# Altium PCB TempdevAmmy230209.PcbDoc (part 4 of 5) (continued)
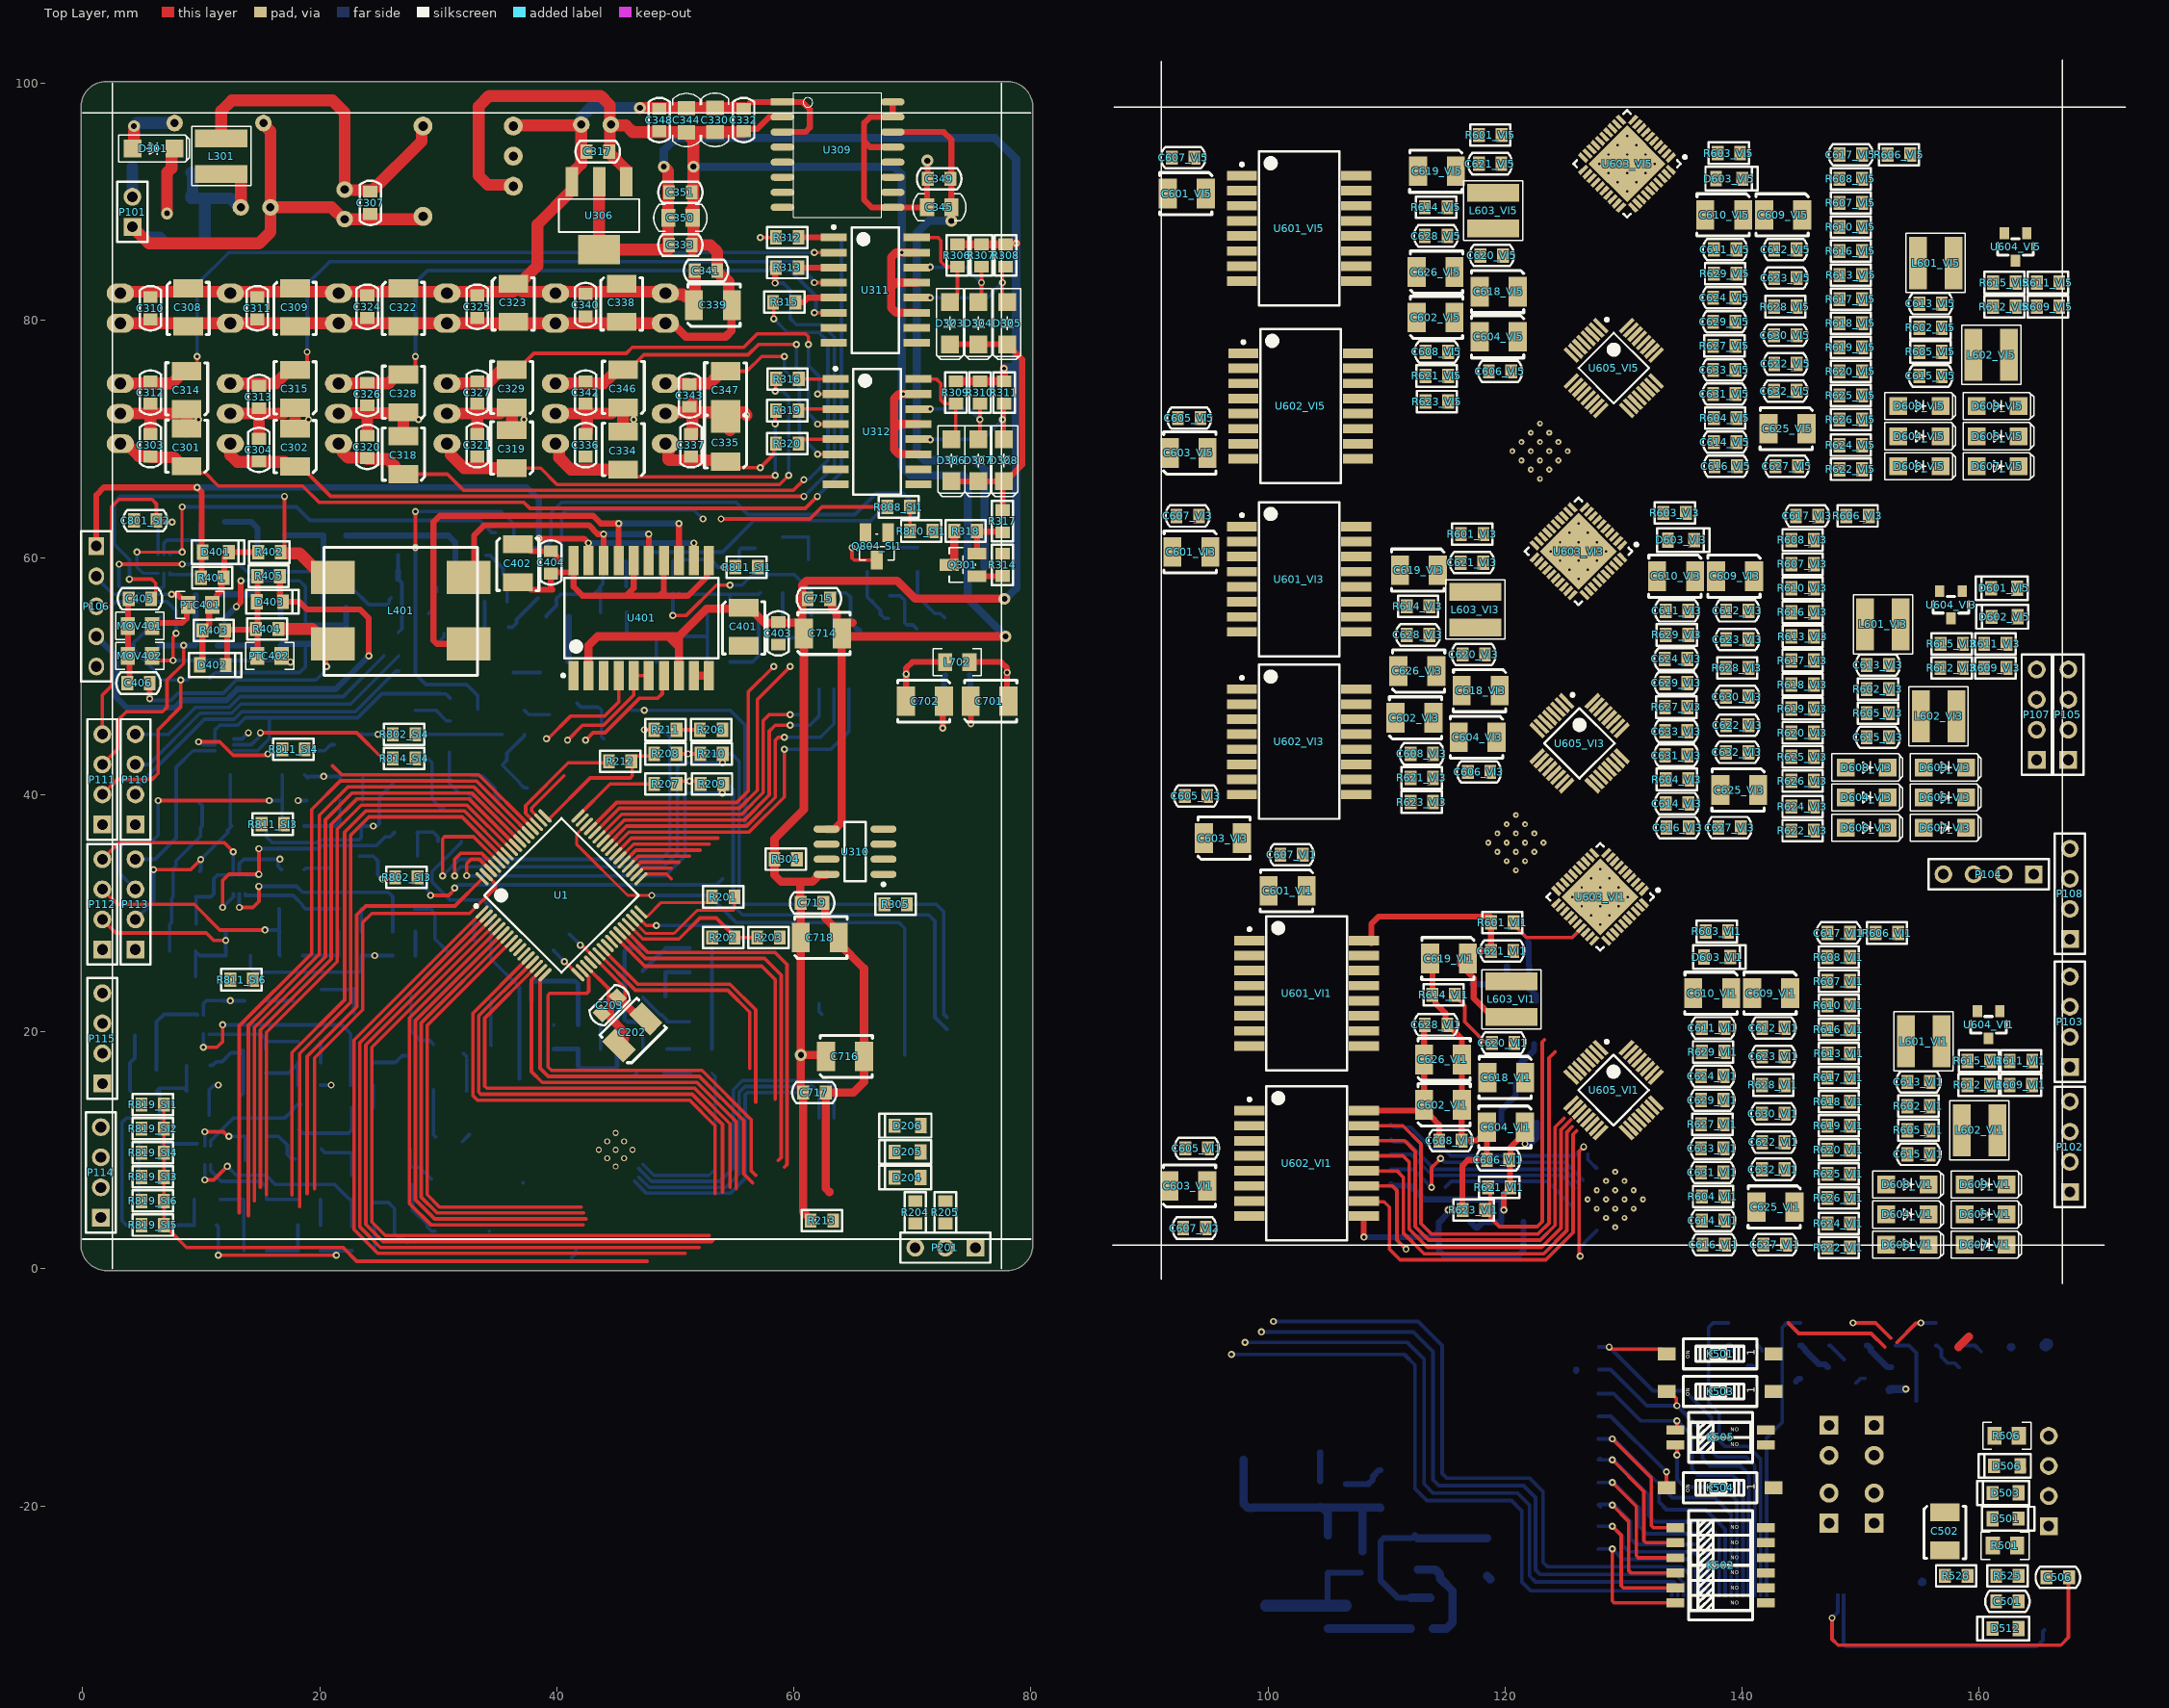
[diagram p0: Top Layer view]
## Nets (pads, with @x,y where several pads share a name; then routed paths per layer and width w, separated by ;. In a path a pad name is that pad's centre, name@x,y a point inside that pad or via, vN(x,y) a via of type N, cw(c..) or ccw(c..) an arc to the next point about the centre after c; other vN are vias at no path point) (continued)
BUTTON5D: K502.9 P2000.23 P5000.23 R510.2 U1.3 | length 87.2
  Top Layer w0.3: U1.3@34.393,29.392 23.884,18.883 23.884,3.73 25.32,2.294 53.06,2.294 53.177,2.412 ; v1(129.032,-18.034) 131.064,-20.066 131.064,-24.208 131.24,-24.384 K502.9@134.366,-24.384
  Bottom Layer w0.3: R510.2@127.884,-18.034 v1(129.032,-18.034) 129.159,-18.034 131.318,-20.193 131.318,-21.717 131.953,-22.352 136.398,-22.352 137.558,-23.512 P5000.23@137.558,-27.559
BUTTON5E: K502.8 P2000.22 P5000.22 R511.2 U1.2 | length 89.6
  Top Layer w0.3: U1.2@34.04,29.746 23.384,19.09 23.384,3.523 25.113,1.794 51.981,1.794 ; v1(129.032,-16.129) 131.699,-18.796 131.699,-22.938 131.875,-23.114 K502.8@134.366,-23.114
  Bottom Layer w0.3: R511.2@128.011,-16.002 R511.2@127.884,-16.129 v1(129.032,-16.129) 129.159,-16.129 132.08,-19.05 132.08,-20.828 132.588,-21.336 136.779,-21.336 138.058,-22.615 P5000.22@138.058,-27.559
BUTTON5F: K502.7 P2000.21 P5000.21 R512.2 U1.1 | length 91.1
  Top Layer w0.3: U1.1@33.686,30.1 22.884,19.297 22.884,3.316 24.906,1.294 50.811,1.294 ; v1(129.032,-14.351) 132.334,-17.653 132.334,-21.668 132.51,-21.844 K502.7@134.366,-21.844
  Bottom Layer w0.3: R512.2@127.884,-14.351 v1(129.032,-14.351) 129.159,-14.351 132.969,-18.161 132.969,-19.685 133.604,-20.32 136.906,-20.32 138.558,-21.972 P5000.21@138.558,-27.559
CCOMP_VI1: C617_VI1.2 U603_VI1.35
CCOMP_VI2: C617_VI2.2 U603_VI2.35
CCOMP_VI3: C617_VI3.2 U603_VI3.35
CCOMP_VI4: C617_VI4.2 U603_VI4.35
CCOMP_VI5: C617_VI5.2 U603_VI5.35
CCOMP_VI6: C617_VI6.2 U603_VI6.35
CD/IRQ_VI1: U602_VI1.11 U605_VI1.7 | length 8.2
  Top Layer w0.3: U602_VI1.11@108.076,6.985 110.49,6.985 110.871,6.604 110.871,2.413 v1(111.633,1.651)
CD/IRQ_VI2: U602_VI2.11 U605_VI2.7
CD/IRQ_VI3: U602_VI3.11 U605_VI3.7
CD/IRQ_VI4: U602_VI4.11 U605_VI4.7
CD/IRQ_VI5: U602_VI5.11 U605_VI5.7
CD/IRQ_VI6: U602_VI6.11 U605_VI6.7
CHART_VI1: C614_VI1.1 C631_VI1.1 R604_VI1.1
CHART_VI2: C614_VI2.1 C631_VI2.1 R604_VI2.1
CHART_VI3: C614_VI3.1 C631_VI3.1 R604_VI3.1
CHART_VI4: C614_VI4.1 C631_VI4.1 R604_VI4.1
CHART_VI5: C614_VI5.1 C631_VI5.1 R604_VI5.1
CHART_VI6: C614_VI6.1 C631_VI6.1 R604_VI6.1
CHN8_N: C706.2 C707.1 R703.1 U701.21 | length 4.1
  Bottom Layer w0.381: R703.1@49.149,22.987 C706.2@49.149,25.019 C707.1@51.186,25.019
CHN8_P: C705.1 C706.1 R702.1 U701.20 | length 4.8
  Bottom Layer w0.381: C706.1@47.249,25.119 48.771,26.641 48.839,26.641 49.149,26.951 R702.1@49.149,27.051 C705.1@51.181,27.051
CHNN1: C804_SI1.2 C805_SI1.1 R817_SI1.1 U701.5 | length 2.4
  Bottom Layer w0.3: C804_SI1.2@58.989,53.213 C805_SI1.1@61.407,53.213
CHNN2: C804_SI2.2 C805_SI2.1 R817_SI2.1 U701.7 | length 14
  Bottom Layer w0.3: R817_SI2.1@10.729,49.784 10.729,49.884 11.079,50.234 11.179,50.234 11.237,50.292 18.288,50.292 18.796,50.8 18.796,52.705
  Bottom Layer w0.5: C804_SI2.2@16.698,52.578 16.825,52.705 18.796,52.705 C805_SI2.1@20.193,52.705
CHNN3: C804_SI3.2 C805_SI3.1 R817_SI3.1 U701.9 | length 14.5
  Bottom Layer w0.3: R817_SI3.1@14.158,26.416 14.158,25.339 14.478,25.019 23.314,25.019 23.49,25.195 C804_SI3.2@23.49,26.416 v1(24.638,26.416) C805_SI3.1@26.162,26.416
CHNN4: C804_SI4.2 C805_SI4.1 R817_SI4.1 U701.11 | length 16.7
  Bottom Layer w0.3: R817_SI4.1@14.473,37.338 15.24,37.338 15.494,37.084 15.494,36.449 16.01,35.933 19.732,35.933 19.994,36.195 23.319,36.195 23.495,36.371 23.495,37.277 C804_SI4.2@23.556,37.338 v1(24.511,37.338) 24.843,37.338 25.019,37.514 25.019,39.778 26.162,40.921 C805_SI4.1@26.162,41.021
CHNN5: C804_SI5.2 C805_SI5.1 R817_SI5.1 U701.15 | length 15.6
  Top Layer w0.3: v1(11.43,1.128) v1(21.397,1.128)
  Bottom Layer w0.3: R817_SI5.1@11.298,3.683 11.43,3.551 v1(11.43,1.128) ; C804_SI5.2@20.061,1.524 21.397,1.524 ; v1(21.397,1.128) 21.397,1.524 ; C805_SI5.1@22.733,1.524 21.397,1.524
CHNN6: C804_SI6.2 C805_SI6.1 R817_SI6.1 U701.17 | length 4
  Bottom Layer w0.3: C805_SI6.1@10.663,12.954 10.668,12.959 R817_SI6.1@10.668,14.986 10.668,15.086 11.018,15.436 11.118,15.436 11.176,15.494 v1(11.43,15.494) ; C804_SI6.2@20.061,15.494 v1(20.955,15.494)
CHNP1: C803_SI1.1 C804_SI1.1 R816_SI1.1 U701.4 | length 6.1
  Bottom Layer w0.3: R816_SI1.1@54.605,51.181 56.515,51.181 57.023,51.689 57.023,54.991 C803_SI1.1@57.15,55.118
CHNP2: C803_SI2.1 C804_SI2.1 R816_SI2.1 U701.6 | length 5.5
  Bottom Layer w0.5: R816_SI2.1@11.364,52.578 C804_SI2.1@14.798,52.578 C803_SI2.1@14.798,54.61
CHNP3: C803_SI3.1 C804_SI3.1 R816_SI3.1 U701.8 | length 5.1
  Bottom Layer w0.3: R816_SI3.1@18.537,26.416 C804_SI3.1@21.59,26.416 C803_SI3.1@21.59,28.448
CHNP4: C803_SI4.1 C804_SI4.1 R816_SI4.1 U701.10 | length 5
  Bottom Layer w0.3: R816_SI4.1@18.664,37.338 21.306,37.338 C804_SI4.1@21.656,37.688 ; C804_SI4.1@21.656,37.719 C804_SI4.1@21.656,37.688 ; C803_SI4.1@21.717,39.497 21.717,37.749 C804_SI4.1@21.656,37.688
CHNP5: C803_SI5.1 C804_SI5.1 R816_SI5.1 U701.14 | length 4.8
  Bottom Layer w0.3: R816_SI5.1@15.489,1.524 C804_SI5.1@18.161,1.524 C803_SI5.1@18.161,3.683
CHNP6: C803_SI6.1 C804_SI6.1 R816_SI6.1 U701.16 | length 5
  Bottom Layer w0.3: R816_SI6.1@15.428,16.51 17.372,16.51 C803_SI6.1@18.161,17.299 ; C804_SI6.1@18.161,15.494 C803_SI6.1@18.161,17.299 ; C803_SI6.1@18.161,17.399 C803_SI6.1@18.161,17.299
CHNxO\N\1: U1.39 U702.2 | length 9.2
  Top Layer w0.3: U1.39@44.964,35.014 46.273,36.322 53.594,36.322
CHNxO\N\2: U1.38 U702.3 | length 8
  Top Layer w0.3: U1.38@45.318,34.66 46.472,35.814 52.832,35.814
CHNxO\N\3: U1.37 U702.4 | length 6.8
  Top Layer w0.3: U1.37@45.672,34.307 46.671,35.306 52.07,35.306
CHNxO\N\4: U1.36 U702.5 | length 5.5
  Top Layer w0.3: U1.36@46.025,33.953 46.871,34.799 51.18,34.799 51.181,34.798
CHNxO\N\5: U1.35 U702.6 | length 4.2
  Top Layer w0.3: U1.35@46.379,33.6 47.078,34.299 50.291,34.299 50.292,34.298
CHNxO\N\6: U1.33 U702.7 | length 2.9
  Top Layer w0.3: U1.33@47.086,32.893 47.492,33.299 49.251,33.299 49.657,32.893
CHNxO\N\_SI1: R808_SI1.2 U702.15 | length 57.5
  Top Layer w0.3: 54.38,63.246 v1(53.848,63.246) 61.341,63.246 62.357,64.262 R808_SI1.2@67.884,64.262
  S1 w0.3: v1(53.848,63.246) 57.023,60.071 61.087,60.071 62.357,58.801 62.357,32.385 58.293,28.321
CHNxO\N\_SI2: R808_SI2.2 U702.14 | length 63.7
  S1 w0.3: v1(52.324,63.246) 53.213,64.135 54.229,64.135 57.531,60.833 61.722,60.833 62.865,59.69 62.865,31.242 59.563,27.94
  Bottom Layer w0.3: 40.32,58.293 R808_SI2.2@40.32,58.928 ; R808_SI2.2@40.381,58.928 40.381,63.622 40.767,64.008 51.562,64.008 v1(52.324,63.246) v1@52.362,63.208
CHNxO\N\_SI3: R808_SI3.2 U702.13
CHNxO\N\_SI4: R808_SI4.2 U702.12
CHNxO\N\_SI5: R808_SI5.2 U702.11
CHNxO\N\_SI6: R808_SI6.2 U702.10
CLKOUT_VI1: U603_VI1.21
CLKOUT_VI2: U603_VI2.21
CLKOUT_VI3: U603_VI3.21
CLKOUT_VI4: U603_VI4.21
CLKOUT_VI5: U603_VI5.21
CLKOUT_VI6: U603_VI6.21
D+: C506.1 D502.1 D504.2 P201.3 P2000.1 P5000.1 R204.2 R502.2 R503.1 | length 22.2
  Bottom Layer w0.3: P5000.1@148.558,-27.559 148.558,-31.701 148.734,-31.877 164.846,-31.877 165.369,-31.354 165.369,-30.592 D504.2@165.481,-30.48
D-: C506.2 D505.2 D507.2 P201.2 P2000.2 P5000.2 R205.2 R504.1 R505.1 | length 29.4
  Top Layer w0.3: v1(147.574,-29.464) 147.574,-31.242 148.082,-31.75 166.878,-31.75 167.513,-31.115 167.513,-26.096 C506.2@167.574,-26.035
  Bottom Layer w0.3: v1(147.574,-29.464) 148.058,-28.98 P5000.2@148.058,-27.559
DA_F\A\L\U\T\_VI1: D201.2 P2001.30 P6002.30 U601_VI1.7 | length 0.1
  Bottom Layer w0.3: D201.2@70.945,8.049 D201.2@70.945,8.199
DA_F\A\L\U\T\_VI2: D202.2 P2001.29 P6002.29 U601_VI2.7 | length 0.9
  Bottom Layer w0.3: D202.2@70.648,9.827 70.648,9.743 71.041,9.35 D202.2@71.125,9.35 ; D202.2@70.945,10.208 D202.2@70.945,10.358
DA_F\A\L\U\T\_VI3: D203.2 P2001.28 P6002.28 U601_VI3.7 | length 0.7
  Bottom Layer w0.3: D203.2@70.691,12.009 70.691,11.859 71.041,11.509 D203.2@71.107,11.509
DA_F\A\L\U\T\_VI4: D204.2 P2001.27 P6002.27 U601_VI4.7
DA_F\A\L\U\T\_VI5: D205.2 P2001.26 P6002.26 U601_VI5.7
DA_F\A\L\U\T\_VI6: D206.2 P2001.25 P6002.25 U601_VI6.7
DA_L\D\A\C\: P2001.12 P6002.12 U1.52 U601_VI1.6 U601_VI2.6 U601_VI3.6 U601_VI4.6 U601_VI5.6 U601_VI6.6 | length 19
  Top Layer w0.3: 21.082,42.418 21.844,41.656 33.408,41.656 U1.52@37.929,37.135
DA_R\E\S\E\T\: P2001.18 P6002.18 U1.53 U602_VI1.2 U602_VI2.2 U602_VI3.2 U602_VI4.2 U602_VI5.2 U602_VI6.2 | length 57.6
  Top Layer w0.3: 13.208,4.699 13.208,20.481 19.304,26.577 19.304,38.735 21.72,41.151 31.112,41.151 31.123,41.14 33.217,41.14 36.099,38.258 U1.53@37.575,36.782
DA_S\Y\N\C\_VI1: P2001.24 P6002.24 U1.59 U601_VI1.2 | length 48
  Top Layer w0.3: 18.288,5.241 18.288,18.161 22.606,22.479 22.606,36.576 24.146,38.116 31.998,38.116 U1.59@35.454,34.66
DA_S\Y\N\C\_VI2: P2001.23 P6002.23 U1.58 U601_VI2.2 | length 48.4
  Top Layer w0.3: 17.653,6.223 17.653,18.233 22.098,22.678 22.098,36.83 23.884,38.616 32.205,38.616 U1.58@35.807,35.014
DA_S\Y\N\C\_VI3: P2001.22 P6002.22 U1.57 U601_VI3.2 | length 50.4
  Top Layer w0.3: 15.494,6.267 15.494,19.939 21.463,25.908 21.463,37.084 23.495,39.116 32.413,39.116 U1.57@36.161,35.367
DA_S\Y\N\C\_VI4: P2001.21 P6002.21 U1.56 U601_VI4.2 | length 51.2
  Top Layer w0.3: 14.978,6.858 14.986,6.866 14.986,20.138 20.963,26.115 20.963,37.473 23.114,39.624 32.612,39.624 U1.56@36.515,35.721
DA_S\Y\N\C\_VI5: P2001.20 P6002.20 U1.55 U601_VI5.2 | length 53.7
  Top Layer w0.3: 14.478,5.715 14.478,20.337 20.463,26.322 20.463,37.862 22.733,40.132 32.811,40.132 U1.55@36.868,36.075
DA_S\Y\N\C\_VI6: P2001.19 P6002.19 U1.54 U601_VI6.2 | length 56.3
  Top Layer w0.3: 13.97,4.461 13.97,20.536 19.963,26.529 19.963,38.251 22.352,40.64 33.01,40.64 U1.54@37.222,36.428
DA_SCLK: R206.2 U1.50 U601_VI1.3 U601_VI2.3 U601_VI3.3 U601_VI4.3 U601_VI5.3 U601_VI6.3 | length 5.2
  Top Layer w0.3: U1.50@38.636,37.842 37.864,38.614 37.864,38.863 40.585,41.584
DA_SDI: R207.2 U1.48 U601_VI1.4 U601_VI2.4 U601_VI3.4 U601_VI4.4 U601_VI5.4 U601_VI6.4 | length 8.1
  Top Layer w0.3: U1.48@41.783,38.196 44.481,40.894 47.866,40.894 47.924,40.952 R207.2@48.042,40.952 ; R207.2@47.915,40.952 R207.2@48.265,41.302 ; R207.2@48.453,40.767 R207.2@48.58,40.894
DA_SDO: R208.2 R212.2 U1.49 U601_VI1.5 U601_VI2.5 U601_VI3.5 U601_VI4.5 U601_VI5.5 U601_VI6.5 | length 12.8
  Top Layer w0.3: U1.49@38.989,38.196 39.29,37.895 42.797,41.402 46.179,41.402 46.355,41.578 46.355,43.241 R208.2@48.199,43.241 ; R208.2@48.133,43.241 R208.2@48.326,43.434
DAGND: U601_VI1.9 U601_VI2.9 U601_VI3.9 U601_VI4.9 U601_VI5.9 U601_VI6.9
DASTATUS: P2000.14 P5000.14 R524.1 U1.22 | length 53.3
  Top Layer w0.3: U1.22@43.55,26.564 46.619,23.495 54.411,23.495 56.261,21.645 56.261,16.918 ; 143.891,-4.572 144.78,-5.461 150.876,-5.461 152.019,-6.604
  Bottom Layer w0.3: P5000.14@142.058,-27.559 142.058,-14.279 143.383,-12.954 143.383,-4.953 143.764,-4.572 144.902,-4.572 R524.1@144.907,-4.577
DUPLEX/SDI_VI1: U602_VI1.12 U605_VI1.12 | length 32.5
  Top Layer w0.3: U602_VI1.12@108.076,8.255 110.871,8.255 111.403,7.723 111.403,3.024 113.16,1.267 123.242,1.267 125.206,3.231 125.206,11.519 125.677,11.991
DUPLEX/SDI_VI2: U602_VI2.12 U605_VI2.12
DUPLEX/SDI_VI3: U602_VI3.12 U605_VI3.12
DUPLEX/SDI_VI4: U602_VI4.12 U605_VI4.12
DUPLEX/SDI_VI5: U602_VI5.12 U605_VI5.12
DUPLEX/SDI_VI6: U602_VI6.12 U605_VI6.12
DVLDO: C602_VI1.1 C602_VI2.1 C602_VI3.1 C602_VI4.1 C602_VI5.1 C602_VI6.1 C604_VI1.1 C604_VI2.1 C604_VI3.1 C604_VI4.1 C604_VI5.1 C604_VI6.1 C606_VI1.1 C606_VI2.1 C606_VI3.1 C606_VI4.1 C606_VI5.1 C606_VI6.1 C608_VI1.1 C608_VI2.1 C608_VI3.1 C608_VI4.1 C608_VI5.1 C608_VI6.1 C619_VI1.1 C619_VI2.1 C619_VI3.1 C619_VI4.1 C619_VI5.1 C619_VI6.1 C621_VI1.1 C621_VI2.1 C621_VI3.1 C621_VI4.1 C621_VI5.1 C621_VI6.1 C626_VI1.1 C626_VI2.1 C626_VI3.1 C626_VI4.1 C626_VI5.1 C626_VI6.1 C628_VI1.1 C628_VI2.1 C628_VI3.1 C628_VI4.1 C628_VI5.1 C628_VI6.1 L603_VI1.2 L603_VI2.2 L603_VI3.2 L603_VI4.2 L603_VI5.2 L603_VI6.2 R601_VI1.1 R601_VI2.1 R601_VI3.1 R601_VI4.1 R601_VI5.1 R601_VI6.1 R616_VI1.1 R616_VI2.1 R616_VI3.1 R616_VI4.1 R616_VI5.1 R616_VI6.1 R618_VI1.1 R618_VI2.1 R618_VI3.1 R618_VI4.1 R618_VI5.1 R618_VI6.1 R620_VI1.1 R620_VI2.1 R620_VI3.1 R620_VI4.1 R620_VI5.1 R620_VI6.1 R621_VI1.1 R621_VI2.1 R621_VI3.1 R621_VI4.1 R621_VI5.1 R621_VI6.1 R624_VI1.1 R624_VI2.1 R624_VI3.1 R624_VI4.1 R624_VI5.1 R624_VI6.1 R626_VI1.1 R626_VI2.1 R626_VI3.1 R626_VI4.1 R626_VI5.1 R626_VI6.1 U601_VI1.16 U601_VI2.16 U601_VI3.16 U601_VI4.16 U601_VI5.16 U601_VI6.16 U602_VI1.16 U602_VI2.16 U602_VI3.16 U602_VI4.16 U602_VI5.16 U602_VI6.16 U603_VI1.13 U603_VI2.13 U603_VI3.13 U603_VI4.13 U603_VI5.13 U603_VI6.13 U605_VI1.2 U605_VI1.5 U605_VI1.9 U605_VI1.14 U605_VI2.2 U605_VI2.5 U605_VI2.9 U605_VI2.14 U605_VI3.2 U605_VI3.5 U605_VI3.9 U605_VI3.14 U605_VI4.2 U605_VI4.5 U605_VI4.9 U605_VI4.14 U605_VI5.2 U605_VI5.5 U605_VI5.9 U605_VI5.14 U605_VI6.2 U605_VI6.5 U605_VI6.9 U605_VI6.14 | length 70
  Top Layer w0.5: U602_VI1.16@108.711,13.335 112.665,13.335 C602_VI1.1@113.157,13.827 ; U601_VI1.16@108.712,27.432 108.712,29.083 109.347,29.718 R601_VI1.1@118.745,29.718 ; 113.157,19.9 C626_VI1.1@113.157,17.653 C602_VI1.1@113.157,13.827 ; C628_VI1.1@113.223,20.474 C628_VI1.1@113.223,20.574 ; C608_VI1.1@114.429,10.793 C608_VI1.1@114.432,10.795 114.432,12.145 113.75,12.827 113.669,12.827 113.157,13.339 C602_VI1.1@113.157,13.827 ; R601_VI1.1@118.811,29.21 118.803,29.202 118.803,26.805 C621_VI1.1@118.795,26.797 116.717,26.797 116.205,26.285 116.205,25.674 117.348,24.531 117.348,22.831 118.946,21.233 L603_VI1.2@120.396,21.233 ; v1(119.888,4.953) 119.888,6.289 R621_VI1.1@120.457,6.858 ; R621_VI1.1@120.442,7.162 120.396,7.208 120.396,9.178 120.441,9.224 120.441,10.235 C604_VI1.1@121.666,11.46 ; v1(121.666,10.541) C604_VI1.1@121.666,11.46 ; C604_VI1.1@121.666,11.948 C604_VI1.1@121.666,11.46
  Bottom Layer w0.5: U601_VI2.16@110.362,7.112 110.465,7.009 111.99,7.009 113.157,5.842 119.573,5.842 119.667,5.748 119.667,3.97 C621_VI2.1@119.634,3.937 118.11,3.937 C619_VI2.1@117.602,3.429 C619_VI2.1@117.09,3.941 ; v1(121.666,10.541) 122.182,10.541 122.682,11.041 L603_VI2.2@122.682,12.319 ; R621_VI2.1@121.92,27.559 121.983,27.495 121.983,25.59 C606_VI2.1@122.047,25.527 122.047,23.627 122.58,23.094 C604_VI2.1@122.58,22.606
DVLDOGND_VI1: C602_VI1.2 C602_VI2.2 C602_VI3.2 C602_VI4.2 C602_VI5.2 C602_VI6.2 C604_VI1.2 C604_VI2.2 C604_VI3.2 C604_VI4.2 C604_VI5.2 C604_VI6.2 C606_VI1.2 C606_VI2.2 C606_VI3.2 C606_VI4.2 C606_VI5.2 C606_VI6.2 C608_VI1.2 C608_VI2.2 C608_VI3.2 C608_VI4.2 C608_VI5.2 C608_VI6.2 C619_VI1.2 C619_VI2.2 C619_VI3.2 C619_VI4.2 C619_VI5.2 C619_VI6.2 C621_VI1.2 C621_VI2.2 C621_VI3.2 C621_VI4.2 C621_VI5.2 C621_VI6.2 C626_VI1.2 C626_VI2.2 C626_VI3.2 C626_VI4.2 C626_VI5.2 C626_VI6.2 C628_VI1.2 C628_VI2.2 C628_VI3.2 C628_VI4.2 C628_VI5.2 C628_VI6.2 R614_VI1.2 R614_VI2.2 R614_VI3.2 R614_VI4.2 R614_VI5.2 R614_VI6.2 R623_VI1.2 R623_VI2.2 R623_VI3.2 R623_VI4.2 R623_VI5.2 R623_VI6.2 U602_VI1.9 U602_VI2.9 U602_VI3.9 U602_VI4.9 U602_VI5.9 U602_VI6.9 U603_VI1.15 U603_VI2.15 U603_VI3.15 U603_VI4.15 U603_VI5.15 U603_VI6.15 U605_VI1.4 U605_VI1.15 U605_VI1.29 U605_VI2.4 U605_VI2.15 U605_VI2.29 U605_VI3.4 U605_VI3.15 U605_VI3.29 U605_VI4.4 U605_VI4.15 U605_VI4.29 U605_VI5.4 U605_VI5.15 U605_VI5.29 U605_VI6.4 U605_VI6.15 U605_VI6.29 | length 54.2
  Top Layer w0.5: U602_VI1.9@108.076,4.445 v1(108.077,2.667) v1(108.077,2.667) ; 113.858,24.821 R614_VI1.2@113.858,23.114 114.108,22.864 114.108,22.417 114.957,21.568 114.957,20.74 C628_VI1.2@115.123,20.574 ; C628_VI1.2@115.123,20.624 116.357,19.39 C626_VI1.2@116.357,17.653 C602_VI1.2@116.357,13.827 116.332,13.802 116.332,10.845 116.357,10.82 117.582,10.82 118.46,11.698 C606_VI1.2@118.46,9.178 116.874,9.178 116.398,8.702 R623_VI1.2@116.398,4.953 v1(115.189,4.953) ; C604_VI1.2@118.466,11.948 C604_VI1.2@118.669,11.745
  Bottom Layer w0.5: v1(108.077,2.667) 113.89,2.667 C619_VI2.2@114.402,3.179 ; v1@115.17,5.073 v1@115.189,5.054 ; v1(115.189,4.953) 115.17,4.934 115.17,4.685 114.402,3.917 C619_VI2.2@114.402,3.429 C619_VI2.2@114.402,3.179 ; C608_VI2.2@117.221,24.003 120.005,24.003 120.147,23.861 C606_VI2.2@120.147,25.527 ; C621_VI2.2@121.534,3.937 121.534,1.519 121.158,1.143 114.808,1.143 114.402,1.549 C619_VI2.2@114.402,3.179
F\A\L\U\T\_VI1: R601_VI1.2 U601_VI1.10 U603_VI1.27 | length 6.7
  Top Layer w0.3: R601_VI1.2@120.711,29.21 121.061,28.86 121.061,28.672 121.793,27.94 125.648,27.94 125.987,28.279 U603_VI1.27@126.443,28.735
F\A\L\U\T\_VI2: R601_VI2.2 U601_VI2.10 U603_VI2.27 | length 1.5
  Bottom Layer w0.3: 126.967,9.652 126.967,9.222 127.257,8.932 U603_VI2.27@127.713,8.476
F\A\L\U\T\_VI3: R601_VI3.2 U601_VI3.10 U603_VI3.27
F\A\L\U\T\_VI4: R601_VI4.2 U601_VI4.10 U603_VI4.27
F\A\L\U\T\_VI5: R601_VI5.2 U601_VI5.10 U603_VI5.27
F\A\L\U\T\_VI6: R601_VI6.2 U601_VI6.10 U603_VI6.27
F\A\U\L\T\: D201.1 D202.1 D203.1 D204.1 D205.1 D206.1 R213.2 U1.46 | length 43.9
  Top Layer w0.254: U1.46@42.49,37.489 41.656,36.655 41.656,35.814 45.974,31.496 v1(48.006,31.496) ; R213.2@63.434,4.191 R213.2@63.434,4.418
  Top Layer w0.3: D205.1@68.491,9.85 D205.1@68.745,10.104
  Bottom Layer w0.3: v1(48.006,31.496) 52.832,31.496 55.118,29.21 68.834,29.21 69.342,28.702 69.342,18.034
GPIO_0_VI1: R613_VI1.1 R616_VI1.2 U603_VI1.17
GPIO_0_VI2: R613_VI2.1 R616_VI2.2 U603_VI2.17
GPIO_0_VI3: R613_VI3.1 R616_VI3.2 U603_VI3.17
GPIO_0_VI4: R613_VI4.1 R616_VI4.2 U603_VI4.17
GPIO_0_VI5: R613_VI5.1 R616_VI5.2 U603_VI5.17
GPIO_0_VI6: R613_VI6.1 R616_VI6.2 U603_VI6.17
GPIO_1_VI1: R617_VI1.1 R618_VI1.2 U603_VI1.18
GPIO_1_VI2: R617_VI2.1 R618_VI2.2 U603_VI2.18
GPIO_1_VI3: R617_VI3.1 R618_VI3.2 U603_VI3.18
GPIO_1_VI4: R617_VI4.1 R618_VI4.2 U603_VI4.18
GPIO_1_VI5: R617_VI5.1 R618_VI5.2 U603_VI5.18
GPIO_1_VI6: R617_VI6.1 R618_VI6.2 U603_VI6.18
GPIO_2_VI1: R619_VI1.1 R620_VI1.2 U603_VI1.19
GPIO_2_VI2: R619_VI2.1 R620_VI2.2 U603_VI2.19
GPIO_2_VI3: R619_VI3.1 R620_VI3.2 U603_VI3.19
GPIO_2_VI4: R619_VI4.1 R620_VI4.2 U603_VI4.19
GPIO_2_VI5: R619_VI5.1 R620_VI5.2 U603_VI5.19
GPIO_2_VI6: R619_VI6.1 R620_VI6.2 U603_VI6.19
HART_CD/IRQ: P2001.17 P6002.17 U1.63 U602_VI1.6 U602_VI2.6 U602_VI3.6 U602_VI4.6 U602_VI5.6 U602_VI6.6 | length 38
  Top Layer w0.3: 19.558,6.731 19.558,17.78 23.622,21.844 23.622,29.21 24.384,29.972 32.639,29.972 34.798,32.131 34.798,32.488 U1.63@34.151,33.135 ; U1.63@34.04,33.246 U1.63@34.151,33.135
HART_DUPLEX/SDI: P2001.13 P6002.13 R207.1 R209.1 U602_VI1.5 | length 43
  Top Layer w0.3: R207.1@50.165,41.021 50.292,41.148 v1(51.181,41.148) 51.882,41.148 R209.1@52.136,40.894
  Bottom Layer w0.3: v1(51.181,41.148) 54.102,41.148 54.864,40.386 54.864,30.647 55.666,29.845 71.374,29.845 71.882,29.337 71.882,21.209 72.898,20.193
HART_DUPLEX/SDI_VI2: U602_VI1.7 U602_VI2.5
HART_DUPLEX/SDI_VI3: U602_VI2.7 U602_VI3.5
HART_DUPLEX/SDI_VI4: U602_VI3.7 U602_VI4.5
HART_DUPLEX/SDI_VI5: U602_VI4.7 U602_VI5.5
HART_DUPLEX/SDI_VI6: U602_VI5.7 U602_VI6.5
HART_OUT/SDO: P2001.14 P6002.14 R208.1 R210.1 U602_VI6.7 | length 45
  Top Layer w0.3: R208.1@50.292,43.434 v1(51.054,43.434) R210.1@52.009,43.434 ; R210.1@52.103,43.434 R210.1@52.291,43.434
  Bottom Layer w0.3: v1(51.054,43.434) 54.737,43.434 55.364,42.807 55.364,30.91 55.54,30.734 72.009,30.734 72.644,30.099 72.644,21.463 72.898,21.209
HART_R\T\S\/SCLK: P2001.15 P6002.15 R206.1 R211.1 U602_VI1.4 U602_VI2.4 U602_VI3.4 U602_VI4.4 U602_VI5.4 U602_VI6.4 | length 1.9
  Top Layer w0.3: R211.1@50.292,45.466 R206.1@52.197,45.466
HART_RXD/C\S\: P2001.16 P6002.16 U1.64 U602_VI1.3 U602_VI2.3 U602_VI3.3 U602_VI4.3 U602_VI5.3 U602_VI6.3 | length 37.1
  Top Layer w0.3: 18.923,6.35 18.923,17.907 23.114,22.098 23.114,29.845 23.876,30.607 31.401,30.607 U1.64@33.686,32.893
HMI5V: C501.1 C505.1 D502.2 D512.2 L501.1 R502.1 R525.1
IOUT1: Q805_SI1.3 Q805_SI2.3 Q805_SI3.3 Q805_SI4.3 Q805_SI5.3 Q805_SI6.3 R707.1 R708.2 | length 73
  Top Layer w0.3: v1(28.067,60.83) v1@28.067,63.754
  Bottom Layer w0.3: v1(28.067,60.83) 28.067,50.165 28.956,49.276 32.385,49.276 33.323,48.338 Q805_SI4.3@33.323,47.178 ; v1(28.067,63.881) 35.306,63.881 36.371,62.816 Q805_SI2.3@36.371,61.148 36.686,60.833 38.989,60.833 39.497,61.341 39.497,63.754 40.386,64.643 55.102,64.643 56.126,63.619 65.143,63.619 66.929,65.405 69.215,65.405 69.757,64.863 69.757,63.789 70.107,63.439 Q805_SI1.3@70.407,63.439 ; R707.1@37.846,20.574 37.851,20.569 R708.2@37.851,18.542
L\D\A\C\_VI1: U601_VI1.11 U603_VI1.20
L\D\A\C\_VI2: U601_VI2.11 U603_VI2.20 | length 11.7
  Bottom Layer w0.3: 114.935,6.858 115.443,7.366 123.555,7.366 U603_VI2.20@125.591,5.329
L\D\A\C\_VI3: U601_VI3.11 U603_VI3.20
L\D\A\C\_VI4: U601_VI4.11 U603_VI4.20
L\D\A\C\_VI5: U601_VI5.11 U603_VI5.20
L\D\A\C\_VI6: U601_VI6.11 U603_VI6.20
MOD_IN_VI1: C622_VI1.2 U605_VI1.21
MOD_IN_VI2: C622_VI2.2 U605_VI2.21
MOD_IN_VI3: C622_VI3.2 U605_VI3.21
MOD_IN_VI4: C622_VI4.2 U605_VI4.21
MOD_IN_VI5: C622_VI5.2 U605_VI5.21
MOD_IN_VI6: C622_VI6.2 U605_VI6.21
MOD_INF_VI1: C623_VI1.2 C624_VI1.1 R628_VI1.1 R629_VI1.2 U605_VI1.22
MOD_INF_VI2: C623_VI2.2 C624_VI2.1 R628_VI2.1 R629_VI2.2 U605_VI2.22
MOD_INF_VI3: C623_VI3.2 C624_VI3.1 R628_VI3.1 R629_VI3.2 U605_VI3.22
MOD_INF_VI4: C623_VI4.2 C624_VI4.1 R628_VI4.1 R629_VI4.2 U605_VI4.22
MOD_INF_VI5: C623_VI5.2 C624_VI5.1 R628_VI5.1 R629_VI5.2 U605_VI5.22
MOD_INF_VI6: C623_VI6.2 C624_VI6.1 R628_VI6.1 R629_VI6.2 U605_VI6.22
MOD_OUT_VI1: C631_VI1.2 C633_VI1.1 U605_VI1.19
MOD_OUT_VI2: C631_VI2.2 C633_VI2.1 U605_VI2.19
MOD_OUT_VI3: C631_VI3.2 C633_VI3.1 U605_VI3.19
MOD_OUT_VI4: C631_VI4.2 C633_VI4.1 U605_VI4.19
MOD_OUT_VI5: C631_VI5.2 C633_VI5.1 U605_VI5.19
MOD_OUT_VI6: C631_VI6.2 C633_VI6.1 U605_VI6.19
MOSI: P502.13 P2000.27 P5000.27 U1.16 | length 88.1
  Top Layer w0.3: U1.16@38.989,24.796 38.583,24.39 38.583,16.916 39.275,16.224 52.03,16.224 55.753,12.501 55.753,8.001 56.515,7.239
  Bottom Layer w0.3: v1@100.515,-4.445 112.649,-4.445 114.681,-6.477 114.681,-17.272 115.062,-17.653 122.047,-17.653 123.19,-18.796 123.19,-24.765 123.571,-25.146 134.874,-25.146 135.558,-25.83 P5000.27@135.558,-27.559
  other v1: 100.457,-4.445
NetC201_2: C201.2 U1.17 | length 3
  Top Layer w0.3: v1(40.64,25.908) 40.671,25.908 U1.17@41.783,24.796
  Bottom Layer w0.3: C201.2@39.714,26.887 39.714,26.834 v1(40.64,25.908)
NetC305_1: C305.1 D302.2 L301.1 R301.1 R302.1 | length 14.6
  Top Layer w1: L301.1@11.684,92.353 13.085,92.353 13.335,92.103 C305.1@13.335,89.535
  Bottom Layer w1: R301.1@9.16,92.456 9.26,92.356 9.26,90.689 9.271,90.678 9.144,90.551 9.144,90.297 10.287,90.297 ; D302.2@10.287,86.741 10.287,90.297 ; C305.1@13.335,89.535 13.227,89.535 12.465,90.297 10.287,90.297
NetC405_2: C405.2 L401.4 R402.1 | length 34.9
  Top Layer w0.3: v1(3.937,58.166) 5.818,58.166 6.157,57.827 C405.2@6.157,56.515 ; R402.1@16.698,60.452 17.018,60.772 v1(17.018,65.151)
  Top Layer w1: R402.1@16.698,60.452 16.698,60.352 17.018,60.352 18.281,60.352 20.213,58.42 L401.4@20.663,58.42
  Bottom Layer w0.3: v1(3.937,58.166) 3.937,59.817 2.667,61.087 2.667,64.643 3.175,65.151 v1(17.018,65.151)
NetC406_1: C406.1 L401.3 R404.2 | length 26.4
  Top Layer w0.3: v1(20.574,50.8) 20.574,52.197 L401.3@21.082,52.705
  Top Layer w0.5: v1(5.649,48.072) C406.1@5.649,49.403 ; L401.3@19.939,53.848 L401.3@21.082,52.705
  Top Layer w1: R404.2@16.505,53.975 19.362,53.975 19.714,53.623 20.632,52.705 L401.3@21.082,52.705
  Bottom Layer w0.3: v1@5.776,47.945 7.432,47.945 8.042,48.555 11.852,48.555 12.954,49.657 19.685,49.657 20.701,50.673 v1@20.825,50.797
NetC501_2: C501.2 R525.2 R526.1 U501.3
NetC509_1: C509.1 P502.26
NetC510_1: C510.1 C511.1 P502.27 | length 3.6
  Bottom Layer w0.5: C510.1@106.553,-18.166 108.453,-18.166 108.839,-17.78 108.839,-17.505 109.351,-16.993 C511.1@109.474,-16.993
NetC512_1: C512.1 P502.3
NetC514_2: C514.2 R529.2 R530.1 U503.3 | length 7
  Bottom Layer w0.7: C514.2@105.029,-30.353 R529.2@107.188,-30.353 R530.1@109.22,-30.353 U503.3@112.014,-30.353
NetC624_VI1_2: C624_VI1.2 C629_VI1.2 R627_VI1.1
NetC624_VI2_2: C624_VI2.2 C629_VI2.2 R627_VI2.1
NetC624_VI3_2: C624_VI3.2 C629_VI3.2 R627_VI3.1
NetC624_VI4_2: C624_VI4.2 C629_VI4.2 R627_VI4.1
NetC624_VI5_2: C624_VI5.2 C629_VI5.2 R627_VI5.1
NetC624_VI6_2: C624_VI6.2 C629_VI6.2 R627_VI6.1
NetC630_VI1_2: C630_VI1.2 R629_VI1.1 U605_VI1.20
NetC630_VI2_2: C630_VI2.2 R629_VI2.1 U605_VI2.20
NetC630_VI3_2: C630_VI3.2 R629_VI3.1 U605_VI3.20
NetC630_VI4_2: C630_VI4.2 R629_VI4.1 U605_VI4.20
NetC630_VI5_2: C630_VI5.2 R629_VI5.1 U605_VI5.20
NetC630_VI6_2: C630_VI6.2 R629_VI6.1 U605_VI6.20
NetC632_VI1_1: C632_VI1.1 U605_VI1.18
NetC632_VI2_1: C632_VI2.1 U605_VI2.18
NetC632_VI3_1: C632_VI3.1 U605_VI3.18
NetC632_VI4_1: C632_VI4.1 U605_VI4.18
NetC632_VI5_1: C632_VI5.1 U605_VI5.18
NetC632_VI6_1: C632_VI6.1 U605_VI6.18
NetC708_2: C708.2 U701.1 | length 6.4
  Bottom Layer w0.3: 40.513,16.256 40.545,16.224 46.454,16.224 46.741,16.51
NetC709_2: C709.2 U701.24
NetC802_SI1_2: C802_SI1.2 Q806_SI1.4 R815_SI1.2 | length 8.2
  Bottom Layer w0.3: Q806_SI1.4@50.284,56.947 50.284,56.921 50.309,56.896 57.023,56.896 C802_SI1.2@57.15,57.023 ; R815_SI1.2@54.605,55.499 54.605,56.764
NetC802_SI2_2: C802_SI2.2 Q806_SI2.4 R815_SI2.2 | length 9.3
  Bottom Layer w0.3: Q806_SI2.4@7.358,58.674 7.358,58.572 7.383,58.547 11.049,58.547 11.557,58.039 11.557,57.246 R815_SI2.2@11.557,57.062
  Bottom Layer w0.5: R815_SI2.2@11.741,57.246 11.557,57.062 11.491,56.996 R815_SI2.2@11.491,56.896 C802_SI2.2@14.798,56.896
NetC802_SI3_2: C802_SI3.2 Q806_SI3.4 R815_SI3.2 | length 8.5
  Bottom Layer w0.3: Q806_SI3.4@13.708,31.623 13.708,31.521 13.733,31.496 17.748,31.496 18.537,30.707 18.537,30.607 18.791,30.353 C802_SI3.2@21.59,30.353
NetC802_SI4_2: C802_SI4.2 Q806_SI4.4 R815_SI4.2 | length 13.6
  Top Layer w0.3: v1(13.97,45.212) v1@14.027,45.155
  S2 w0.3: v1(13.97,45.212) 14.986,44.196 19.431,44.196 20.32,43.307 v1(20.32,41.529)
  Bottom Layer w0.3: Q806_SI4.4@12.738,44.696 13.454,44.696 v1(13.97,45.212) ; R815_SI4.2@18.73,41.656 18.984,41.402 19.111,41.529 v1(20.32,41.529) 21.59,41.529 C802_SI4.2@21.717,41.402
NetC802_SI5_2: C802_SI5.2 Q806_SI5.4 R815_SI5.2 | length 9.5
  Bottom Layer w0.3: Q806_SI5.4@10.795,8.763 10.795,8.255 11.684,7.366 14.986,7.366 15.494,6.858 15.494,5.847 R815_SI5.2@15.489,5.842 C802_SI5.2@18.161,5.842
NetC802_SI6_2: C802_SI6.2 Q806_SI6.4 R815_SI6.2 | length 8.6
  Bottom Layer w0.3: Q806_SI6.4@10.668,19.774 15.024,19.774 15.428,19.37 ; R815_SI6.2@15.428,18.542 15.428,19.37 ; C802_SI6.2@18.161,19.177 15.621,19.177 15.428,19.37
NetD301_1: D301.1 F301.2 R303.2 | length 6.5
  Top Layer w1: D301.1@4.191,94.488 4.316,94.613 v4@4.316,95.985
  Bottom Layer w1: F301.2@4.191,95.012 4.218,95.012 4.318,95.112 v4(4.318,96.393) 4.572,96.647 R303.2@7.747,96.647